# EAGLE board Mk4 Final a Panel score 2x5 (EAGLE 9.0.1), part 18 of 29 (continued)
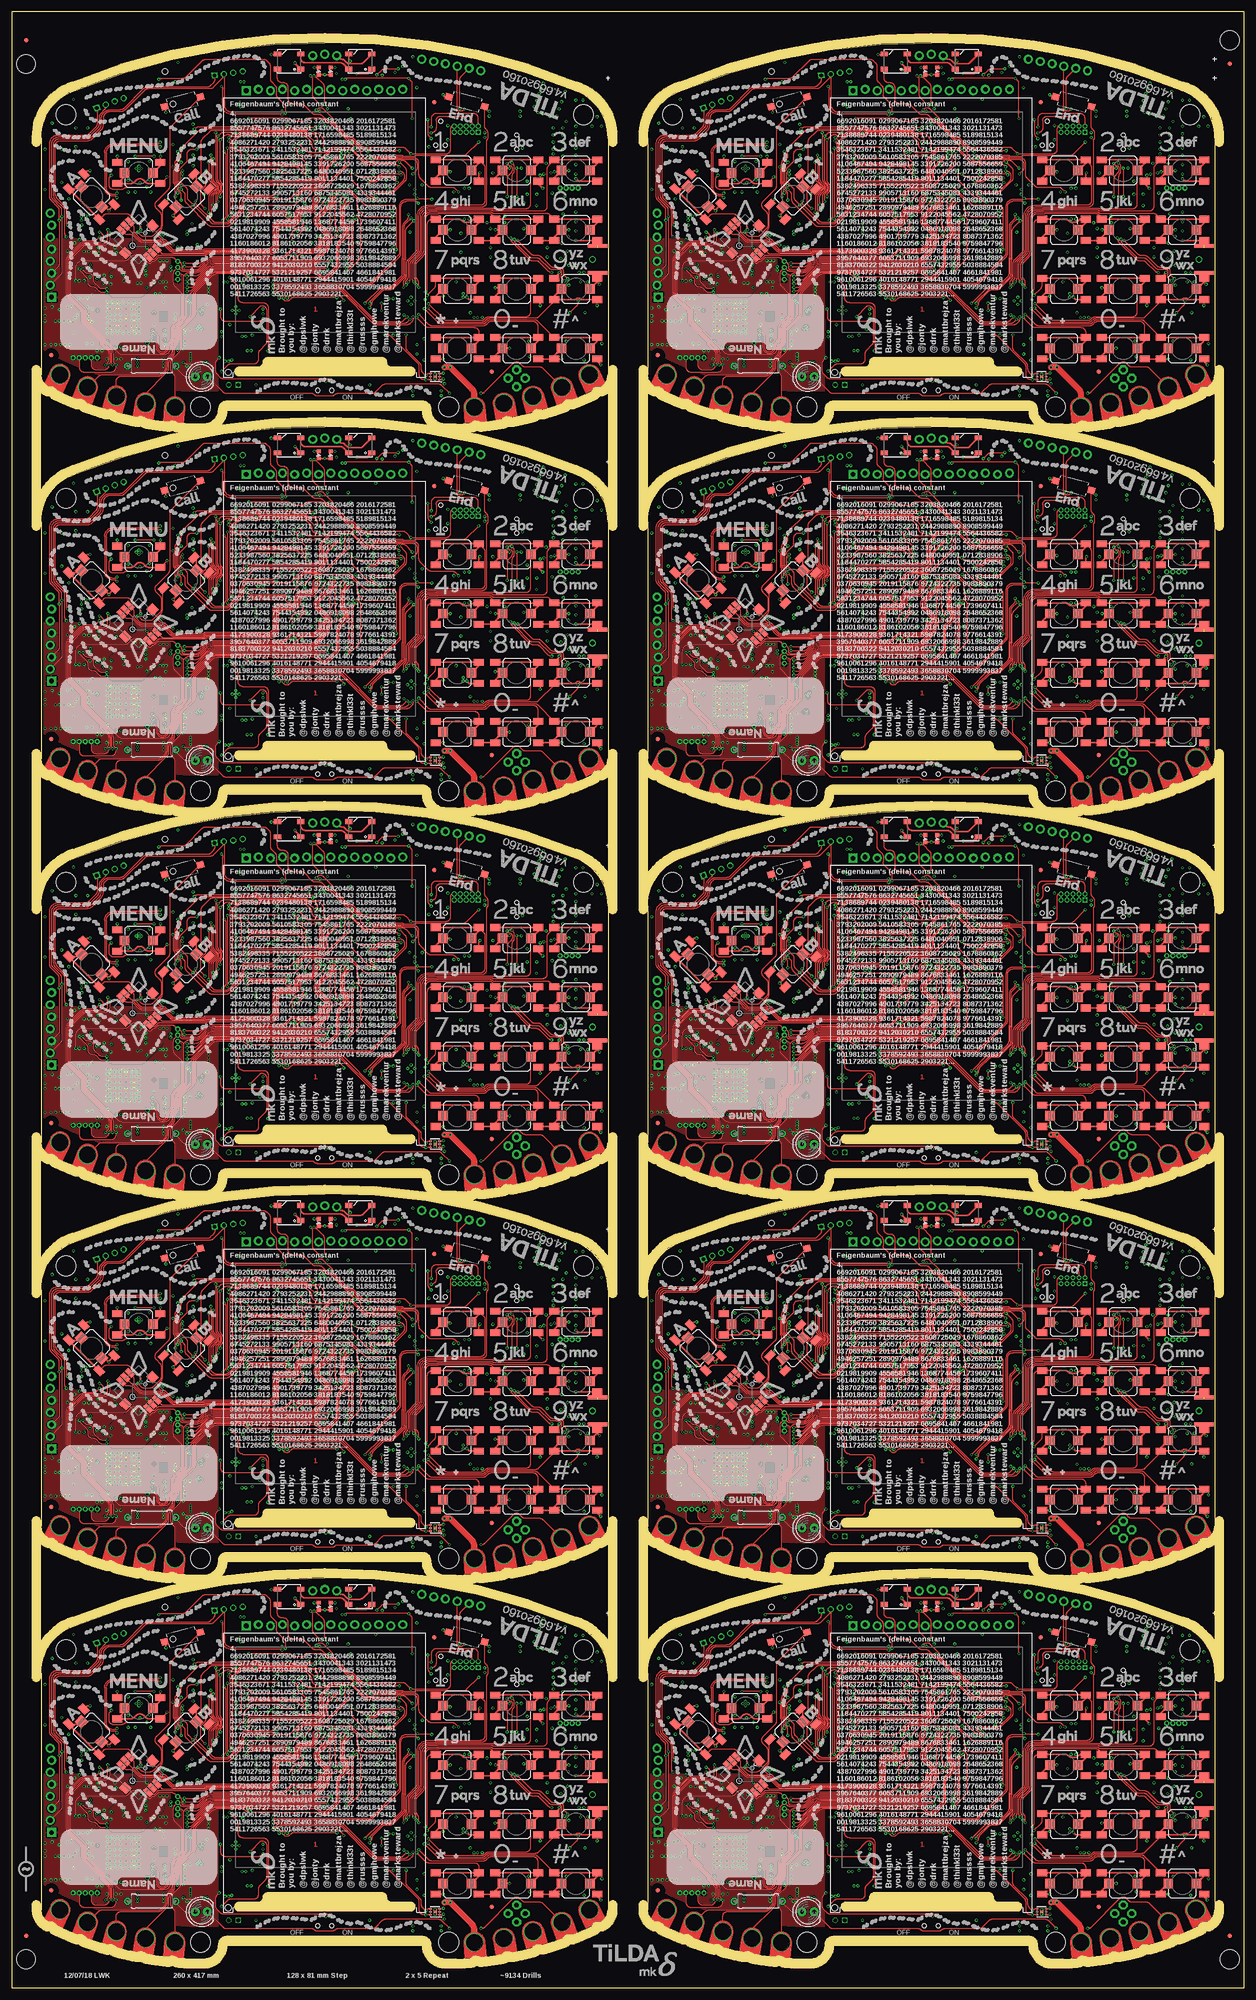
[diagram p0: board, top side]
## Tracks (layer width: path | path; a pad name or v marks a point on that pad's centre or on a via) (continued)
LCD_TEAR9  (via drill 0.3)
  Top 0.15: v187.15,368.5 187.15,370.19 arc-45 187.44,370.89 187.76,371.21 arc-45 188.46,371.5 188.59,371.5 arc45 189.29,371.79 189.31,371.81 arc45 189.6,372.51 v189.6,373
  Bottom 0.15: J91.39 187.25,368.26 arc45 v187.15,368.5 | IC164.21 192.2,374.68 arc-45 192.05,374.33 191.37,373.65 arc-45 191.02,373.5 190.88,373.5 arc45 190.53,373.35 190.32,373.15 arc-45 189.97,373 v189.6,373
LED1  (via drill 0.3)
  Top 0.15: v66,73.5 66,77.09 arc45 65.71,77.79 64.38,79.12 64.24,79.12 63.86,79.5 v63.75,79.5
  Bottom 0.15: IC1.86 68.2,67.22 arc90 67.5,67.92 arc-90 67,68.42 67,69.29 arc45 66.71,69.99 66.29,70.41 arc-45 66,71.11 v66,73.5 | R12.2 66.79,79.52 arc-45 66.08,79.22 64.03,79.22 v63.75,79.5
LED1_R  (via drill 0.3)
  Top 0.25: LED3.A v68.17,81.25
  Bottom 0.3: R12.1 67.52,81.25 v68.17,81.25
LED1_R1  (via drill 0.3)
  Top 0.25: LED9.A v196.17,81.25
  Bottom 0.3: R83.1 195.52,81.25 v196.17,81.25
LED1_R2  (via drill 0.3)
  Top 0.25: LED15.A v68.17,162.25
  Bottom 0.3: R161.1 67.52,162.25 v68.17,162.25
LED1_R3  (via drill 0.3)
  Top 0.25: LED21.A v196.17,162.25
  Bottom 0.3: R239.1 195.52,162.25 v196.17,162.25
LED1_R4  (via drill 0.3)
  Top 0.25: LED27.A v68.17,243.25
  Bottom 0.3: R317.1 67.52,243.25 v68.17,243.25
LED1_R5  (via drill 0.3)
  Top 0.25: LED33.A v196.17,243.25
  Bottom 0.3: R395.1 195.52,243.25 v196.17,243.25
LED1_R6  (via drill 0.3)
  Top 0.25: LED39.A v68.17,324.25
  Bottom 0.3: R473.1 67.52,324.25 v68.17,324.25
LED1_R7  (via drill 0.3)
  Top 0.25: LED45.A v196.17,324.25
  Bottom 0.3: R551.1 195.52,324.25 v196.17,324.25
LED1_R8  (via drill 0.3)
  Top 0.25: LED51.A v68.17,405.25
  Bottom 0.3: R629.1 67.52,405.25 v68.17,405.25
LED1_R9  (via drill 0.3)
  Top 0.25: LED57.A v196.17,405.25
  Bottom 0.3: R707.1 195.52,405.25 v196.17,405.25
LED2  (via drill 0.3)
  Top 0.15: v65,73.55 63.75,74.8 arc-45 63.46,75.5 63.46,79.04 v63,79.5
  Bottom 0.15: IC1.85 67.8,67.33 arc90 67.5,67.62 67.2,67.62 arc-90 66.7,68.12 66.7,69.14 arc45 66.41,69.84 65.99,70.26 arc-45 65.7,70.96 65.7,72.14 arc45 65.41,72.84 65.21,73.04 arc-45 v65,73.55 | R14.2 63.99,80 63.97,80.03 63.73,80.03 arc45 63.38,79.88 v63,79.5
LED2_R  (via drill 0.3)
  Top 0.25: LED4.A v63.83,81.25
  Bottom 0.25: v63.83,81.25 63.9,81.25 64.48,81.25 R14.1
LED2_R1  (via drill 0.3)
  Top 0.25: LED10.A v191.83,81.25
  Bottom 0.25: v191.83,81.25 191.9,81.25 192.48,81.25 R84.1
LED2_R2  (via drill 0.3)
  Top 0.25: LED16.A v63.83,162.25
  Bottom 0.25: v63.83,162.25 63.9,162.25 64.48,162.25 R162.1
LED2_R3  (via drill 0.3)
  Top 0.25: LED22.A v191.83,162.25
  Bottom 0.25: v191.83,162.25 191.9,162.25 192.48,162.25 R240.1
LED2_R4  (via drill 0.3)
  Top 0.25: LED28.A v63.83,243.25
  Bottom 0.25: v63.83,243.25 63.9,243.25 64.48,243.25 R318.1
LED2_R5  (via drill 0.3)
  Top 0.25: LED34.A v191.83,243.25
  Bottom 0.25: v191.83,243.25 191.9,243.25 192.48,243.25 R396.1
LED2_R6  (via drill 0.3)
  Top 0.25: LED40.A v63.83,324.25
  Bottom 0.25: v63.83,324.25 63.9,324.25 64.48,324.25 R474.1
LED2_R7  (via drill 0.3)
  Top 0.25: LED46.A v191.83,324.25
  Bottom 0.25: v191.83,324.25 191.9,324.25 192.48,324.25 R552.1
LED2_R8  (via drill 0.3)
  Top 0.25: LED52.A v63.83,405.25
  Bottom 0.25: v63.83,405.25 63.9,405.25 64.48,405.25 R630.1
LED2_R9  (via drill 0.3)
  Top 0.25: LED58.A v191.83,405.25
  Bottom 0.25: v191.83,405.25 191.9,405.25 192.48,405.25 R708.1
LED3  (via drill 0.3)
  Top 0.15: v194,73.5 194,77.09 arc45 193.71,77.79 192.38,79.12 192.24,79.12 191.86,79.5 v191.75,79.5
  Bottom 0.15: IC20.86 196.2,67.22 arc90 195.5,67.92 arc-90 195,68.42 195,69.29 arc45 194.71,69.99 194.29,70.41 arc-45 194,71.11 v194,73.5 | R83.2 194.79,79.52 arc-45 194.08,79.22 192.03,79.22 v191.75,79.5
LED4  (via drill 0.3)
  Top 0.15: v193,73.55 191.75,74.8 arc-45 191.46,75.5 191.46,79.04 v191,79.5
  Bottom 0.15: IC20.85 195.8,67.33 arc90 195.5,67.62 195.2,67.62 arc-90 194.7,68.12 194.7,69.14 arc45 194.41,69.84 193.99,70.26 arc-45 193.7,70.96 193.7,72.14 arc45 193.41,72.84 193.21,73.04 arc-45 v193,73.55 | R84.2 191.99,80 191.97,80.03 191.73,80.03 arc45 191.38,79.88 v191,79.5
LED5  (via drill 0.3)
  Top 0.15: v66,154.5 66,158.09 arc45 65.71,158.79 64.38,160.12 64.24,160.12 63.86,160.5 v63.75,160.5
  Bottom 0.15: IC38.86 68.2,148.22 arc90 67.5,148.93 arc-90 67,149.43 67,150.29 arc45 66.71,150.99 66.29,151.41 arc-45 66,152.11 v66,154.5 | R161.2 66.79,160.52 arc-45 66.08,160.22 64.03,160.22 v63.75,160.5
LED5_R
  Top 0.25: R11.1 34.58,17.92 36.21,16.29 arc45 36.91,16 38.5,16 38.58,15.92 38.65,15.92 LED5.A
LED5_R1
  Top 0.25: R95.1 162.58,17.92 164.21,16.29 arc45 164.91,16 166.5,16 166.58,15.92 166.65,15.92 LED11.A
LED5_R2
  Top 0.25: R173.1 34.58,98.92 36.21,97.29 arc45 36.91,97 38.5,97 38.58,96.92 38.65,96.92 LED17.A
LED5_R3
  Top 0.25: R251.1 162.58,98.92 164.21,97.29 arc45 164.91,97 166.5,97 166.58,96.92 166.65,96.92 LED23.A
LED5_R4
  Top 0.25: R329.1 34.58,179.92 36.21,178.29 arc45 36.91,178 38.5,178 38.58,177.92 38.65,177.92 LED29.A
LED5_R5
  Top 0.25: R407.1 162.58,179.92 164.21,178.29 arc45 164.91,178 166.5,178 166.58,177.92 166.65,177.92 LED35.A
LED5_R6
  Top 0.25: R485.1 34.58,260.92 36.21,259.29 arc45 36.91,259 38.5,259 38.58,258.92 38.65,258.92 LED41.A
LED5_R7
  Top 0.25: R563.1 162.58,260.92 164.21,259.29 arc45 164.91,259 166.5,259 166.58,258.92 166.65,258.92 LED47.A
LED5_R8
  Top 0.25: R641.1 34.58,341.92 36.21,340.29 arc45 36.91,340 38.5,340 38.58,339.92 38.65,339.92 LED53.A
LED5_R9
  Top 0.25: R719.1 162.58,341.92 164.21,340.29 arc45 164.91,340 166.5,340 166.58,339.92 166.65,339.92 LED59.A
LED6  (via drill 0.3)
  Top 0.15: v65,154.55 63.75,155.8 arc-45 63.46,156.5 63.46,160.04 v63,160.5
  Bottom 0.15: IC38.85 67.8,148.32 arc90 67.5,148.62 67.2,148.62 arc-90 66.7,149.12 66.7,150.14 arc45 66.41,150.84 65.99,151.26 arc-45 65.7,151.96 65.7,153.14 arc45 65.41,153.84 65.21,154.04 arc-45 v65,154.55 | R162.2 63.99,161 63.97,161.03 63.73,161.03 arc45 63.38,160.88 v63,160.5
LED7  (via drill 0.3)
  Top 0.15: v194,154.5 194,158.09 arc45 193.71,158.79 192.38,160.12 192.24,160.12 191.86,160.5 v191.75,160.5
  Bottom 0.15: IC56.86 196.2,148.22 arc90 195.5,148.93 arc-90 195,149.43 195,150.29 arc45 194.71,150.99 194.29,151.41 arc-45 194,152.11 v194,154.5 | R239.2 194.79,160.52 arc-45 194.08,160.22 192.03,160.22 v191.75,160.5
LED8  (via drill 0.3)
  Top 0.15: v193,154.55 191.75,155.8 arc-45 191.46,156.5 191.46,160.04 v191,160.5
  Bottom 0.15: IC56.85 195.8,148.32 arc90 195.5,148.62 195.2,148.62 arc-90 194.7,149.12 194.7,150.14 arc45 194.41,150.84 193.99,151.26 arc-45 193.7,151.96 193.7,153.14 arc45 193.41,153.84 193.21,154.04 arc-45 v193,154.55 | R240.2 191.99,161 191.97,161.03 191.73,161.03 arc45 191.38,160.88 v191,160.5
LED9  (via drill 0.3)
  Top 0.15: v66,235.5 66,239.09 arc45 65.71,239.79 64.38,241.12 64.24,241.12 63.86,241.5 v63.75,241.5
  Bottom 0.15: IC74.86 68.2,229.22 arc90 67.5,229.93 arc-90 67,230.43 67,231.29 arc45 66.71,231.99 66.29,232.41 arc-45 66,233.11 v66,235.5 | R317.2 66.79,241.52 arc-45 66.08,241.22 64.03,241.22 v63.75,241.5
LED10  (via drill 0.3)
  Top 0.15: v65,235.55 63.75,236.8 arc-45 63.46,237.5 63.46,241.04 v63,241.5
  Bottom 0.15: IC74.85 67.8,229.32 arc90 67.5,229.62 67.2,229.62 arc-90 66.7,230.12 66.7,231.14 arc45 66.41,231.84 65.99,232.26 arc-45 65.7,232.96 65.7,234.14 arc45 65.41,234.84 65.21,235.04 arc-45 v65,235.55 | R318.2 63.99,242 63.97,242.03 63.73,242.03 arc45 63.38,241.88 v63,241.5
LED11  (via drill 0.3)
  Top 0.15: v194,235.5 194,239.09 arc45 193.71,239.79 192.38,241.12 192.24,241.12 191.86,241.5 v191.75,241.5
  Bottom 0.15: IC92.86 196.2,229.22 arc90 195.5,229.93 arc-90 195,230.43 195,231.29 arc45 194.71,231.99 194.29,232.41 arc-45 194,233.11 v194,235.5 | R395.2 194.79,241.52 arc-45 194.08,241.22 192.03,241.22 v191.75,241.5
LED12  (via drill 0.3)
  Top 0.15: v193,235.55 191.75,236.8 arc-45 191.46,237.5 191.46,241.04 v191,241.5
  Bottom 0.15: IC92.85 195.8,229.32 arc90 195.5,229.62 195.2,229.62 arc-90 194.7,230.12 194.7,231.14 arc45 194.41,231.84 193.99,232.26 arc-45 193.7,232.96 193.7,234.14 arc45 193.41,234.84 193.21,235.04 arc-45 v193,235.55 | R396.2 191.99,242 191.97,242.03 191.73,242.03 arc45 191.38,241.88 v191,241.5
LED13  (via drill 0.3)
  Top 0.15: v66,316.5 66,320.09 arc45 65.71,320.79 64.38,322.12 64.24,322.12 63.86,322.5 v63.75,322.5
  Bottom 0.15: IC110.86 68.2,310.23 arc90 67.5,310.93 arc-90 67,311.43 67,312.29 arc45 66.71,312.99 66.29,313.41 arc-45 66,314.11 v66,316.5 | R473.2 66.79,322.52 arc-45 66.08,322.23 64.03,322.23 v63.75,322.5
LED14  (via drill 0.3)
  Top 0.15: v65,316.55 63.75,317.8 arc-45 63.46,318.5 63.46,322.04 v63,322.5
  Bottom 0.15: IC110.85 67.8,310.32 arc90 67.5,310.62 67.2,310.62 arc-90 66.7,311.12 66.7,312.14 arc45 66.41,312.84 65.99,313.26 arc-45 65.7,313.96 65.7,315.14 arc45 65.41,315.84 65.21,316.04 arc-45 v65,316.55 | R474.2 63.99,323 63.97,323.02 63.73,323.02 arc45 63.38,322.88 v63,322.5
LED15  (via drill 0.3)
  Top 0.15: v194,316.5 194,320.09 arc45 193.71,320.79 192.38,322.12 192.24,322.12 191.86,322.5 v191.75,322.5
  Bottom 0.15: IC128.86 196.2,310.23 arc90 195.5,310.93 arc-90 195,311.43 195,312.29 arc45 194.71,312.99 194.29,313.41 arc-45 194,314.11 v194,316.5 | R551.2 194.79,322.52 arc-45 194.08,322.23 192.03,322.23 v191.75,322.5
LED16  (via drill 0.3)
  Top 0.15: v193,316.55 191.75,317.8 arc-45 191.46,318.5 191.46,322.04 v191,322.5
  Bottom 0.15: IC128.85 195.8,310.32 arc90 195.5,310.62 195.2,310.62 arc-90 194.7,311.12 194.7,312.14 arc45 194.41,312.84 193.99,313.26 arc-45 193.7,313.96 193.7,315.14 arc45 193.41,315.84 193.21,316.04 arc-45 v193,316.55 | R552.2 191.99,323 191.97,323.02 191.73,323.02 arc45 191.38,322.88 v191,322.5
LED17  (via drill 0.3)
  Top 0.15: v66,397.5 66,401.09 arc45 65.71,401.79 64.38,403.12 64.24,403.12 63.86,403.5 v63.75,403.5
  Bottom 0.15: IC146.86 68.2,391.23 arc90 67.5,391.93 arc-90 67,392.43 67,393.29 arc45 66.71,393.99 66.29,394.41 arc-45 66,395.11 v66,397.5 | R629.2 66.79,403.52 arc-45 66.08,403.23 64.03,403.23 v63.75,403.5
LED18  (via drill 0.3)
  Top 0.15: v65,397.55 63.75,398.8 arc-45 63.46,399.5 63.46,403.04 v63,403.5
  Bottom 0.15: IC146.85 67.8,391.32 arc90 67.5,391.62 67.2,391.62 arc-90 66.7,392.12 66.7,393.14 arc45 66.41,393.84 65.99,394.26 arc-45 65.7,394.96 65.7,396.14 arc45 65.41,396.84 65.21,397.04 arc-45 v65,397.55 | R630.2 63.99,404 63.97,404.02 63.73,404.02 arc45 63.38,403.88 v63,403.5
LED19  (via drill 0.3)
  Top 0.15: v194,397.5 194,401.09 arc45 193.71,401.79 192.38,403.12 192.24,403.12 191.86,403.5 v191.75,403.5
  Bottom 0.15: IC164.86 196.2,391.23 arc90 195.5,391.93 arc-90 195,392.43 195,393.29 arc45 194.71,393.99 194.29,394.41 arc-45 194,395.11 v194,397.5 | R707.2 194.79,403.52 arc-45 194.08,403.23 192.03,403.23 v191.75,403.5
LED20  (via drill 0.3)
  Top 0.15: v193,397.55 191.75,398.8 arc-45 191.46,399.5 191.46,403.04 v191,403.5
  Bottom 0.15: IC164.85 195.8,391.32 arc90 195.5,391.62 195.2,391.62 arc-90 194.7,392.12 194.7,393.14 arc45 194.41,393.84 193.99,394.26 arc-45 193.7,394.96 193.7,396.14 arc45 193.41,396.84 193.21,397.04 arc-45 v193,397.55 | R708.2 191.99,404 191.97,404.02 191.73,404.02 arc45 191.38,403.88 v191,403.5
LEDK
  pour Bottom (no thermals): 75.3,45.7 75.3,45.3 78.6,45.3 78.7,45.3 79.35,44.65 79.55,44.65 81.55,44.65 81.55,45.5 78.9,45.5 78.7,45.7
LEDK1
  Bottom 0.25: J2.2 77.75,43.34 arc-45 78.04,44.04 R47.2
LEDK2
  Bottom 0.25: J2.3 77.25,43.9 arc-45 R48.2
LEDK3
  Bottom 0.25: J2.4 76.75,43.9 arc45 R49.2
LEDK4
  Bottom 0.25: J2.5 76.25,43.34 arc45 75.96,44.04 R44.2
LEDK5
  Bottom 0.25: J6.2 205.75,43.34 arc-45 206.04,44.04 R79.2
LEDK6
  Bottom 0.25: J6.3 205.25,43.9 arc-45 R80.2
LEDK7
  Bottom 0.25: J6.4 204.75,43.9 arc45 R81.2
LEDK8
  Bottom 0.25: J6.5 204.25,43.34 arc45 203.96,44.04 R82.2
LEDK9
  pour Bottom (no thermals): 203.3,45.7 203.3,45.3 206.7,45.3 207.35,44.65 209.55,44.65 209.55,45.5 206.9,45.5 206.7,45.7
LEDK10
  Bottom 0.25: J21.2 77.75,124.34 arc-45 78.04,125.04 R157.2
LEDK11
  Bottom 0.25: J21.3 77.25,124.9 arc-45 R158.2
LEDK12
  Bottom 0.25: J21.4 76.75,124.9 arc45 R159.2
LEDK13
  Bottom 0.25: J21.5 76.25,124.34 arc45 75.96,125.04 R160.2
LEDK14
  pour Bottom (no thermals): 75.3,126.7 75.3,126.3 78.6,126.3 78.7,126.3 79.35,125.65 79.55,125.65 81.55,125.65 81.55,126.5 78.9,126.5 78.7,126.7
LEDK15
  Bottom 0.25: J31.2 205.75,124.34 arc-45 206.04,125.04 R235.2
LEDK16
  Bottom 0.25: J31.3 205.25,124.9 arc-45 R236.2
LEDK17
  Bottom 0.25: J31.4 204.75,124.9 arc45 R237.2
LEDK18
  Bottom 0.25: J31.5 204.25,124.34 arc45 203.96,125.04 R238.2
LEDK19
  pour Bottom (no thermals): 203.3,126.7 203.3,126.3 206.7,126.3 207.35,125.65 209.55,125.65 209.55,126.5 206.9,126.5 206.7,126.7
LEDK20
  Bottom 0.25: J41.2 77.75,205.34 arc-45 78.04,206.04 R313.2
LEDK21
  Bottom 0.25: J41.3 77.25,205.9 arc-45 R314.2
LEDK22
  Bottom 0.25: J41.4 76.75,205.9 arc45 R315.2
LEDK23
  Bottom 0.25: J41.5 76.25,205.34 arc45 75.96,206.04 R316.2
LEDK24
  pour Bottom (no thermals): 75.3,207.7 75.3,207.3 78.6,207.3 78.7,207.3 79.35,206.65 79.55,206.65 81.55,206.65 81.55,207.5 78.9,207.5 78.7,207.7
LEDK25
  Bottom 0.25: J51.2 205.75,205.34 arc-45 206.04,206.04 R391.2
LEDK26
  Bottom 0.25: J51.3 205.25,205.9 arc-45 R392.2
LEDK27
  Bottom 0.25: J51.4 204.75,205.9 arc45 R393.2
LEDK28
  Bottom 0.25: J51.5 204.25,205.34 arc45 203.96,206.04 R394.2
LEDK29
  pour Bottom (no thermals): 203.3,207.7 203.3,207.3 206.7,207.3 207.35,206.65 209.55,206.65 209.55,207.5 206.9,207.5 206.7,207.7
LEDK30
  Bottom 0.25: J61.2 77.75,286.34 arc-45 78.04,287.04 R469.2
LEDK31
  Bottom 0.25: J61.3 77.25,286.9 arc-45 R470.2
LEDK32
  Bottom 0.25: J61.4 76.75,286.9 arc45 R471.2
LEDK33
  Bottom 0.25: J61.5 76.25,286.34 arc45 75.96,287.04 R472.2
LEDK34
  pour Bottom (no thermals): 75.3,288.7 75.3,288.3 78.6,288.3 78.7,288.3 79.35,287.65 79.55,287.65 81.55,287.65 81.55,288.5 78.9,288.5 78.7,288.7
LEDK35
  Bottom 0.25: J71.2 205.75,286.34 arc-45 206.04,287.04 R547.2
LEDK36
  Bottom 0.25: J71.3 205.25,286.9 arc-45 R548.2
LEDK37
  Bottom 0.25: J71.4 204.75,286.9 arc45 R549.2
LEDK38
  Bottom 0.25: J71.5 204.25,286.34 arc45 203.96,287.04 R550.2
LEDK39
  pour Bottom (no thermals): 203.3,288.7 203.3,288.3 206.7,288.3 207.35,287.65 209.55,287.65 209.55,288.5 206.9,288.5 206.7,288.7
LEDK40
  Bottom 0.25: J81.2 77.75,367.34 arc-45 78.04,368.04 R625.2
LEDK41
  Bottom 0.25: J81.3 77.25,367.9 arc-45 R626.2
LEDK42
  Bottom 0.25: J81.4 76.75,367.9 arc45 R627.2
LEDK43
  Bottom 0.25: J81.5 76.25,367.34 arc45 75.96,368.04 R628.2
LEDK44
  pour Bottom (no thermals): 75.3,369.7 75.3,369.3 78.6,369.3 78.7,369.3 79.35,368.65 79.55,368.65 81.55,368.65 81.55,369.5 78.9,369.5 78.7,369.7
LEDK45
  Bottom 0.25: J91.2 205.75,367.34 arc-45 206.04,368.04 R703.2
LEDK46
  Bottom 0.25: J91.3 205.25,367.9 arc-45 R704.2
LEDK47
  Bottom 0.25: J91.4 204.75,367.9 arc45 R705.2
LEDK48
  Bottom 0.25: J91.5 204.25,367.34 arc45 203.96,368.04 R706.2
LEDK49
  pour Bottom (no thermals): 203.3,369.7 203.3,369.3 206.7,369.3 207.35,368.65 209.55,368.65 209.55,369.5 206.9,369.5 206.7,369.7
MIC_MUX_N
  Bottom 0.2: IC12.11 97,64.5 96.79,64.71 arc45 96.09,65 95.46,65 arc90 94.46,64 IC12.9 94.46,61.5 arc90 95.46,60.5 96.65,60.5 arc-90 97.65,59.5 97.65,56.22 97.58,56.15 97.58,55.3 97.58,55.2 97.58,55.18 97.58,54.85 arc90 98.6,53.83 99.3,53.83 arc-90 100.03,53.1 100.03,50.7 arc-90 99.75,50.42 99.33,50.85 IC5.10
MIC_MUX_N1
  Bottom 0.2: IC27.11 225,64.5 224.79,64.71 arc45 224.09,65 223.46,65 arc90 222.46,64 IC27.9 222.46,61.5 arc90 223.46,60.5 224.65,60.5 arc-90 225.65,59.5 225.65,56.22 225.57,56.15 225.57,55.3 225.57,55.2 225.57,55.18 225.57,54.85 arc90 226.6,53.83 227.3,53.83 arc-90 228.03,53.1 228.03,50.7 arc-90 227.75,50.42 227.32,50.85 IC21.10
MIC_MUX_N2
  Bottom 0.2: IC45.11 97,145.5 96.79,145.71 arc45 96.09,146 95.46,146 arc90 94.46,145 IC45.9 94.46,142.5 arc90 95.46,141.5 96.65,141.5 arc-90 97.65,140.5 97.65,137.22 97.58,137.15 97.58,136.3 97.58,136.2 97.58,136.18 97.58,135.85 arc90 98.6,134.82 99.3,134.82 arc-90 100.03,134.1 100.03,131.7 arc-90 99.75,131.43 99.33,131.85 IC39.10
MIC_MUX_N3
  Bottom 0.2: IC63.11 225,145.5 224.79,145.71 arc45 224.09,146 223.46,146 arc90 222.46,145 IC63.9 222.46,142.5 arc90 223.46,141.5 224.65,141.5 arc-90 225.65,140.5 225.65,137.22 225.57,137.15 225.57,136.3 225.57,136.2 225.57,136.18 225.57,135.85 arc90 226.6,134.82 227.3,134.82 arc-90 228.03,134.1 228.03,131.7 arc-90 227.75,131.43 227.32,131.85 IC57.10
MIC_MUX_N4
  Bottom 0.2: IC81.11 97,226.5 96.79,226.71 arc45 96.09,227 95.46,227 arc90 94.46,226 IC81.9 94.46,223.5 arc90 95.46,222.5 96.65,222.5 arc-90 97.65,221.5 97.65,218.22 97.58,218.15 97.58,217.3 97.58,217.2 97.58,217.18 97.58,216.85 arc90 98.6,215.82 99.3,215.82 arc-90 100.03,215.1 100.03,212.7 arc-90 99.75,212.43 99.33,212.85 IC75.10
MIC_MUX_N5
  Bottom 0.2: IC99.11 225,226.5 224.79,226.71 arc45 224.09,227 223.46,227 arc90 222.46,226 IC99.9 222.46,223.5 arc90 223.46,222.5 224.65,222.5 arc-90 225.65,221.5 225.65,218.22 225.57,218.15 225.57,217.3 225.57,217.2 225.57,217.18 225.57,216.85 arc90 226.6,215.82 227.3,215.82 arc-90 228.03,215.1 228.03,212.7 arc-90 227.75,212.43 227.32,212.85 IC93.10
MIC_MUX_N6
  Bottom 0.2: IC117.11 97,307.5 96.79,307.71 arc45 96.09,308 95.46,308 arc90 94.46,307 IC117.9 94.46,304.5 arc90 95.46,303.5 96.65,303.5 arc-90 97.65,302.5 97.65,299.22 97.58,299.14 97.58,298.3 97.58,298.2 97.58,298.18 97.58,297.85 arc90 98.6,296.82 99.3,296.82 arc-90 100.03,296.1 100.03,293.7 arc-90 99.75,293.43 99.33,293.85 IC111.10
MIC_MUX_N7
  Bottom 0.2: IC135.11 225,307.5 224.79,307.71 arc45 224.09,308 223.46,308 arc90 222.46,307 IC135.9 222.46,304.5 arc90 223.46,303.5 224.65,303.5 arc-90 225.65,302.5 225.65,299.22 225.57,299.14 225.57,298.3 225.57,298.2 225.57,298.18 225.57,297.85 arc90 226.6,296.82 227.3,296.82 arc-90 228.03,296.1 228.03,293.7 arc-90 227.75,293.43 227.32,293.85 IC129.10
MIC_MUX_N8
  Bottom 0.2: IC153.11 97,388.5 96.79,388.71 arc45 96.09,389 95.46,389 arc90 94.46,388 IC153.9 94.46,385.5 arc90 95.46,384.5 96.65,384.5 arc-90 97.65,383.5 97.65,380.22 97.58,380.14 97.58,379.3 97.58,379.2 97.58,379.18 97.58,378.85 arc90 98.6,377.82 99.3,377.82 arc-90 100.03,377.1 100.03,374.7 arc-90 99.75,374.43 99.33,374.85 IC147.10
MIC_MUX_N9
  Bottom 0.2: IC171.11 225,388.5 224.79,388.71 arc45 224.09,389 223.46,389 arc90 222.46,388 IC171.9 222.46,385.5 arc90 223.46,384.5 224.65,384.5 arc-90 225.65,383.5 225.65,380.22 225.57,380.14 225.57,379.3 225.57,379.2 225.57,379.18 225.57,378.85 arc90 226.6,377.82 227.3,377.82 arc-90 228.03,377.1 228.03,374.7 arc-90 227.75,374.43 227.32,374.85 IC165.10
MIC_MUX_P
  Bottom 0.2: IC12.1 100.81,57 arc-90 99.81,56 99.27,56 arc-90 98.27,57 IC12.3 98.27,56.34 98.22,56.29 arc45 97.92,55.59 97.92,55.3 97.92,54.85 arc90 98.6,54.17 99.3,54.17 arc-90 100.38,53.1 100.38,50.7 arc-90 99.75,50.08 99.42,49.75 IC5.9
MIC_MUX_P1
  Bottom 0.2: IC27.1 228.81,57 arc-90 227.81,56 227.27,56 arc-90 226.27,57 IC27.3 226.27,56.34 226.22,56.29 arc45 225.93,55.59 225.93,55.3 225.93,54.85 arc90 226.6,54.17 227.3,54.17 arc-90 228.38,53.1 228.38,50.7 arc-90 227.75,50.08 227.43,49.75 IC21.9
MIC_MUX_P2
  Bottom 0.2: IC45.1 100.81,138 arc-90 99.81,137 99.27,137 arc-90 98.27,138 IC45.3 98.27,137.34 98.22,137.29 arc45 97.92,136.59 97.92,136.3 97.92,135.85 arc90 98.6,135.18 99.3,135.18 arc-90 100.38,134.1 100.38,131.7 arc-90 99.75,131.07 99.42,130.75 IC39.9
MIC_MUX_P3
  Bottom 0.2: IC63.1 228.81,138 arc-90 227.81,137 227.27,137 arc-90 226.27,138 IC63.3 226.27,137.34 226.22,137.29 arc45 225.93,136.59 225.93,136.3 225.93,135.85 arc90 226.6,135.18 227.3,135.18 arc-90 228.38,134.1 228.38,131.7 arc-90 227.75,131.07 227.43,130.75 IC57.9
MIC_MUX_P4
  Bottom 0.2: IC81.1 100.81,219 arc-90 99.81,218 99.27,218 arc-90 98.27,219 IC81.3 98.27,218.34 98.22,218.29 arc45 97.92,217.59 97.92,217.3 97.92,216.85 arc90 98.6,216.18 99.3,216.18 arc-90 100.38,215.1 100.38,212.7 arc-90 99.75,212.07 99.42,211.75 IC75.9
MIC_MUX_P5
  Bottom 0.2: IC99.1 228.81,219 arc-90 227.81,218 227.27,218 arc-90 226.27,219 IC99.3 226.27,218.34 226.22,218.29 arc45 225.93,217.59 225.93,217.3 225.93,216.85 arc90 226.6,216.18 227.3,216.18 arc-90 228.38,215.1 228.38,212.7 arc-90 227.75,212.07 227.43,211.75 IC93.9
MIC_MUX_P6
  Bottom 0.2: IC117.1 100.81,300 arc-90 99.81,299 99.27,299 arc-90 98.27,300 IC117.3 98.27,299.35 98.22,299.29 arc45 97.92,298.59 97.92,298.3 97.92,297.85 arc90 98.6,297.18 99.3,297.18 arc-90 100.38,296.1 100.38,293.7 arc-90 99.75,293.07 99.42,292.75 IC111.9
MIC_MUX_P7
  Bottom 0.2: IC135.1 228.81,300 arc-90 227.81,299 227.27,299 arc-90 226.27,300 IC135.3 226.27,299.35 226.22,299.29 arc45 225.93,298.59 225.93,298.3 225.93,297.85 arc90 226.6,297.18 227.3,297.18 arc-90 228.38,296.1 228.38,293.7 arc-90 227.75,293.07 227.43,292.75 IC129.9
MIC_MUX_P8
  Bottom 0.2: IC153.1 100.81,381 arc-90 99.81,380 99.27,380 arc-90 98.27,381 IC153.3 98.27,380.35 98.22,380.29 arc45 97.92,379.59 97.92,379.3 97.92,378.85 arc90 98.6,378.18 99.3,378.18 arc-90 100.38,377.1 100.38,374.7 arc-90 99.75,374.07 99.42,373.75 IC147.9
MIC_MUX_P9
  Bottom 0.2: IC171.1 228.81,381 arc-90 227.81,380 227.27,380 arc-90 226.27,381 IC171.3 226.27,380.35 226.22,380.29 arc45 225.93,379.59 225.93,379.3 225.93,378.85 arc90 226.6,378.18 227.3,378.18 arc-90 228.38,377.1 228.38,374.7 arc-90 227.75,374.07 227.43,373.75 IC165.9
MIC_N
  Bottom 0.2: C56.2 C53.1 | C52.2 C55.1 | C52.2 C56.2 | U4.- 102.03,75.25 102.6,75.83 103.33,75.83 arc-90 103.83,75.33 103.83,72.33 C52.2 | C56.2 103.83,70.67 103.83,70.21 arc-45 103.68,69.85 103.67,69.85 arc45 103.53,69.49 S22.6
MIC_N1
  Bottom 0.2: C163.2 C160.1 | C159.2 C162.1 | C159.2 C163.2 | U3.- 230.03,75.25 230.6,75.83 231.32,75.83 arc-90 231.82,75.33 231.82,72.33 C159.2 | C163.2 231.82,70.67 231.82,70.21 arc-45 231.68,69.85 231.67,69.85 arc45 231.53,69.49 S42.6
MIC_N2
  Bottom 0.2: C271.2 C268.1 | C267.2 C270.1 | C267.2 C271.2 | U8.- 102.03,156.25 102.6,156.82 103.33,156.82 arc-90 103.83,156.32 103.83,153.32 C267.2 | C271.2 103.83,151.68 103.83,151.21 arc-45 103.68,150.85 103.67,150.85 arc45 103.53,150.49 S63.6
MIC_N3
  Bottom 0.2: C379.2 C376.1 | C375.2 C378.1 | C375.2 C379.2 | U11.- 230.03,156.25 230.6,156.82 231.32,156.82 arc-90 231.82,156.32 231.82,153.32 C375.2 | C379.2 231.82,151.68 231.82,151.21 arc-45 231.68,150.85 231.67,150.85 arc45 231.53,150.49 S84.6
MIC_N4
  Bottom 0.2: C487.2 C484.1 | C483.2 C486.1 | C483.2 C487.2 | U14.- 102.03,237.25 102.6,237.82 103.33,237.82 arc-90 103.83,237.32 103.83,234.32 C483.2 | C487.2 103.83,232.68 103.83,232.21 arc-45 103.68,231.85 103.67,231.85 arc45 103.53,231.49 S105.6
MIC_N5
  Bottom 0.2: C595.2 C592.1 | C591.2 C594.1 | C591.2 C595.2 | U17.- 230.03,237.25 230.6,237.82 231.32,237.82 arc-90 231.82,237.32 231.82,234.32 C591.2 | C595.2 231.82,232.68 231.82,232.21 arc-45 231.68,231.85 231.67,231.85 arc45 231.53,231.49 S126.6
MIC_N6
  Bottom 0.2: C703.2 C700.1 | C699.2 C702.1 | C699.2 C703.2 | U20.- 102.03,318.25 102.6,318.82 103.33,318.82 arc-90 103.83,318.32 103.83,315.32 C699.2 | C703.2 103.83,313.68 103.83,313.21 arc-45 103.68,312.85 103.67,312.85 arc45 103.53,312.49 S147.6
MIC_N7
  Bottom 0.2: C811.2 C808.1 | C807.2 C810.1 | C807.2 C811.2 | U23.- 230.03,318.25 230.6,318.82 231.32,318.82 arc-90 231.82,318.32 231.82,315.32 C807.2 | C811.2 231.82,313.68 231.82,313.21 arc-45 231.68,312.85 231.67,312.85 arc45 231.53,312.49 S168.6
MIC_N8
  Bottom 0.2: C919.2 C916.1 | C915.2 C918.1 | C915.2 C919.2 | U26.- 102.03,399.25 102.6,399.82 103.33,399.82 arc-90 103.83,399.32 103.83,396.32 C915.2 | C919.2 103.83,394.68 103.83,394.21 arc-45 103.68,393.85 103.67,393.85 arc45 103.53,393.49 S189.6
MIC_N9
  Bottom 0.2: C1027.2 C1024.1 | C1023.2 C1026.1 | C1023.2 C1027.2 | U29.- 230.03,399.25 230.6,399.82 231.32,399.82 arc-90 231.82,399.32 231.82,396.32 C1023.2 | C1027.2 231.82,394.68 231.82,394.21 arc-45 231.68,393.85 231.67,393.85 arc45 231.53,393.49 S210.6
MIC_P
  Bottom 0.2: C52.1 C54.1 | C56.1 C57.1 | C52.1 C56.1 | U4.+ 102.03,76.75 102.6,76.17 103.42,76.17 arc-90 104.17,75.42 104.17,72.35 104.5,72.03 C52.1 | C56.1 104.17,70.67 104.17,70.21 arc45 104.32,69.85 106.03,68.15 arc45 106.38,68 S22.3
MIC_P1
  Bottom 0.2: C159.1 C161.1 | C163.1 C164.1 | C159.1 C163.1 | U3.+ 230.03,76.75 230.6,76.17 231.43,76.17 arc-90 232.18,75.42 232.18,72.35 232.5,72.03 C159.1 | C163.1 232.18,70.67 232.18,70.21 arc45 232.32,69.85 234.03,68.15 arc45 234.38,68 S42.3
MIC_P2
  Bottom 0.2: C267.1 C269.1 | C271.1 C272.1 | C267.1 C271.1 | U8.+ 102.03,157.75 102.6,157.18 103.42,157.18 arc-90 104.17,156.43 104.17,153.35 104.5,153.03 C267.1 | C271.1 104.17,151.68 104.17,151.21 arc45 104.32,150.85 106.03,149.15 arc45 106.38,149 S63.3
MIC_P3
  Bottom 0.2: C375.1 C377.1 | C379.1 C380.1 | C375.1 C379.1 | U11.+ 230.03,157.75 230.6,157.18 231.43,157.18 arc-90 232.18,156.43 232.18,153.35 232.5,153.03 C375.1 | C379.1 232.18,151.68 232.18,151.21 arc45 232.32,150.85 234.03,149.15 arc45 234.38,149 S84.3
MIC_P4